# Altium PCB SOM Board with RK3399.PcbDoc (part 1 of 5) (continued)
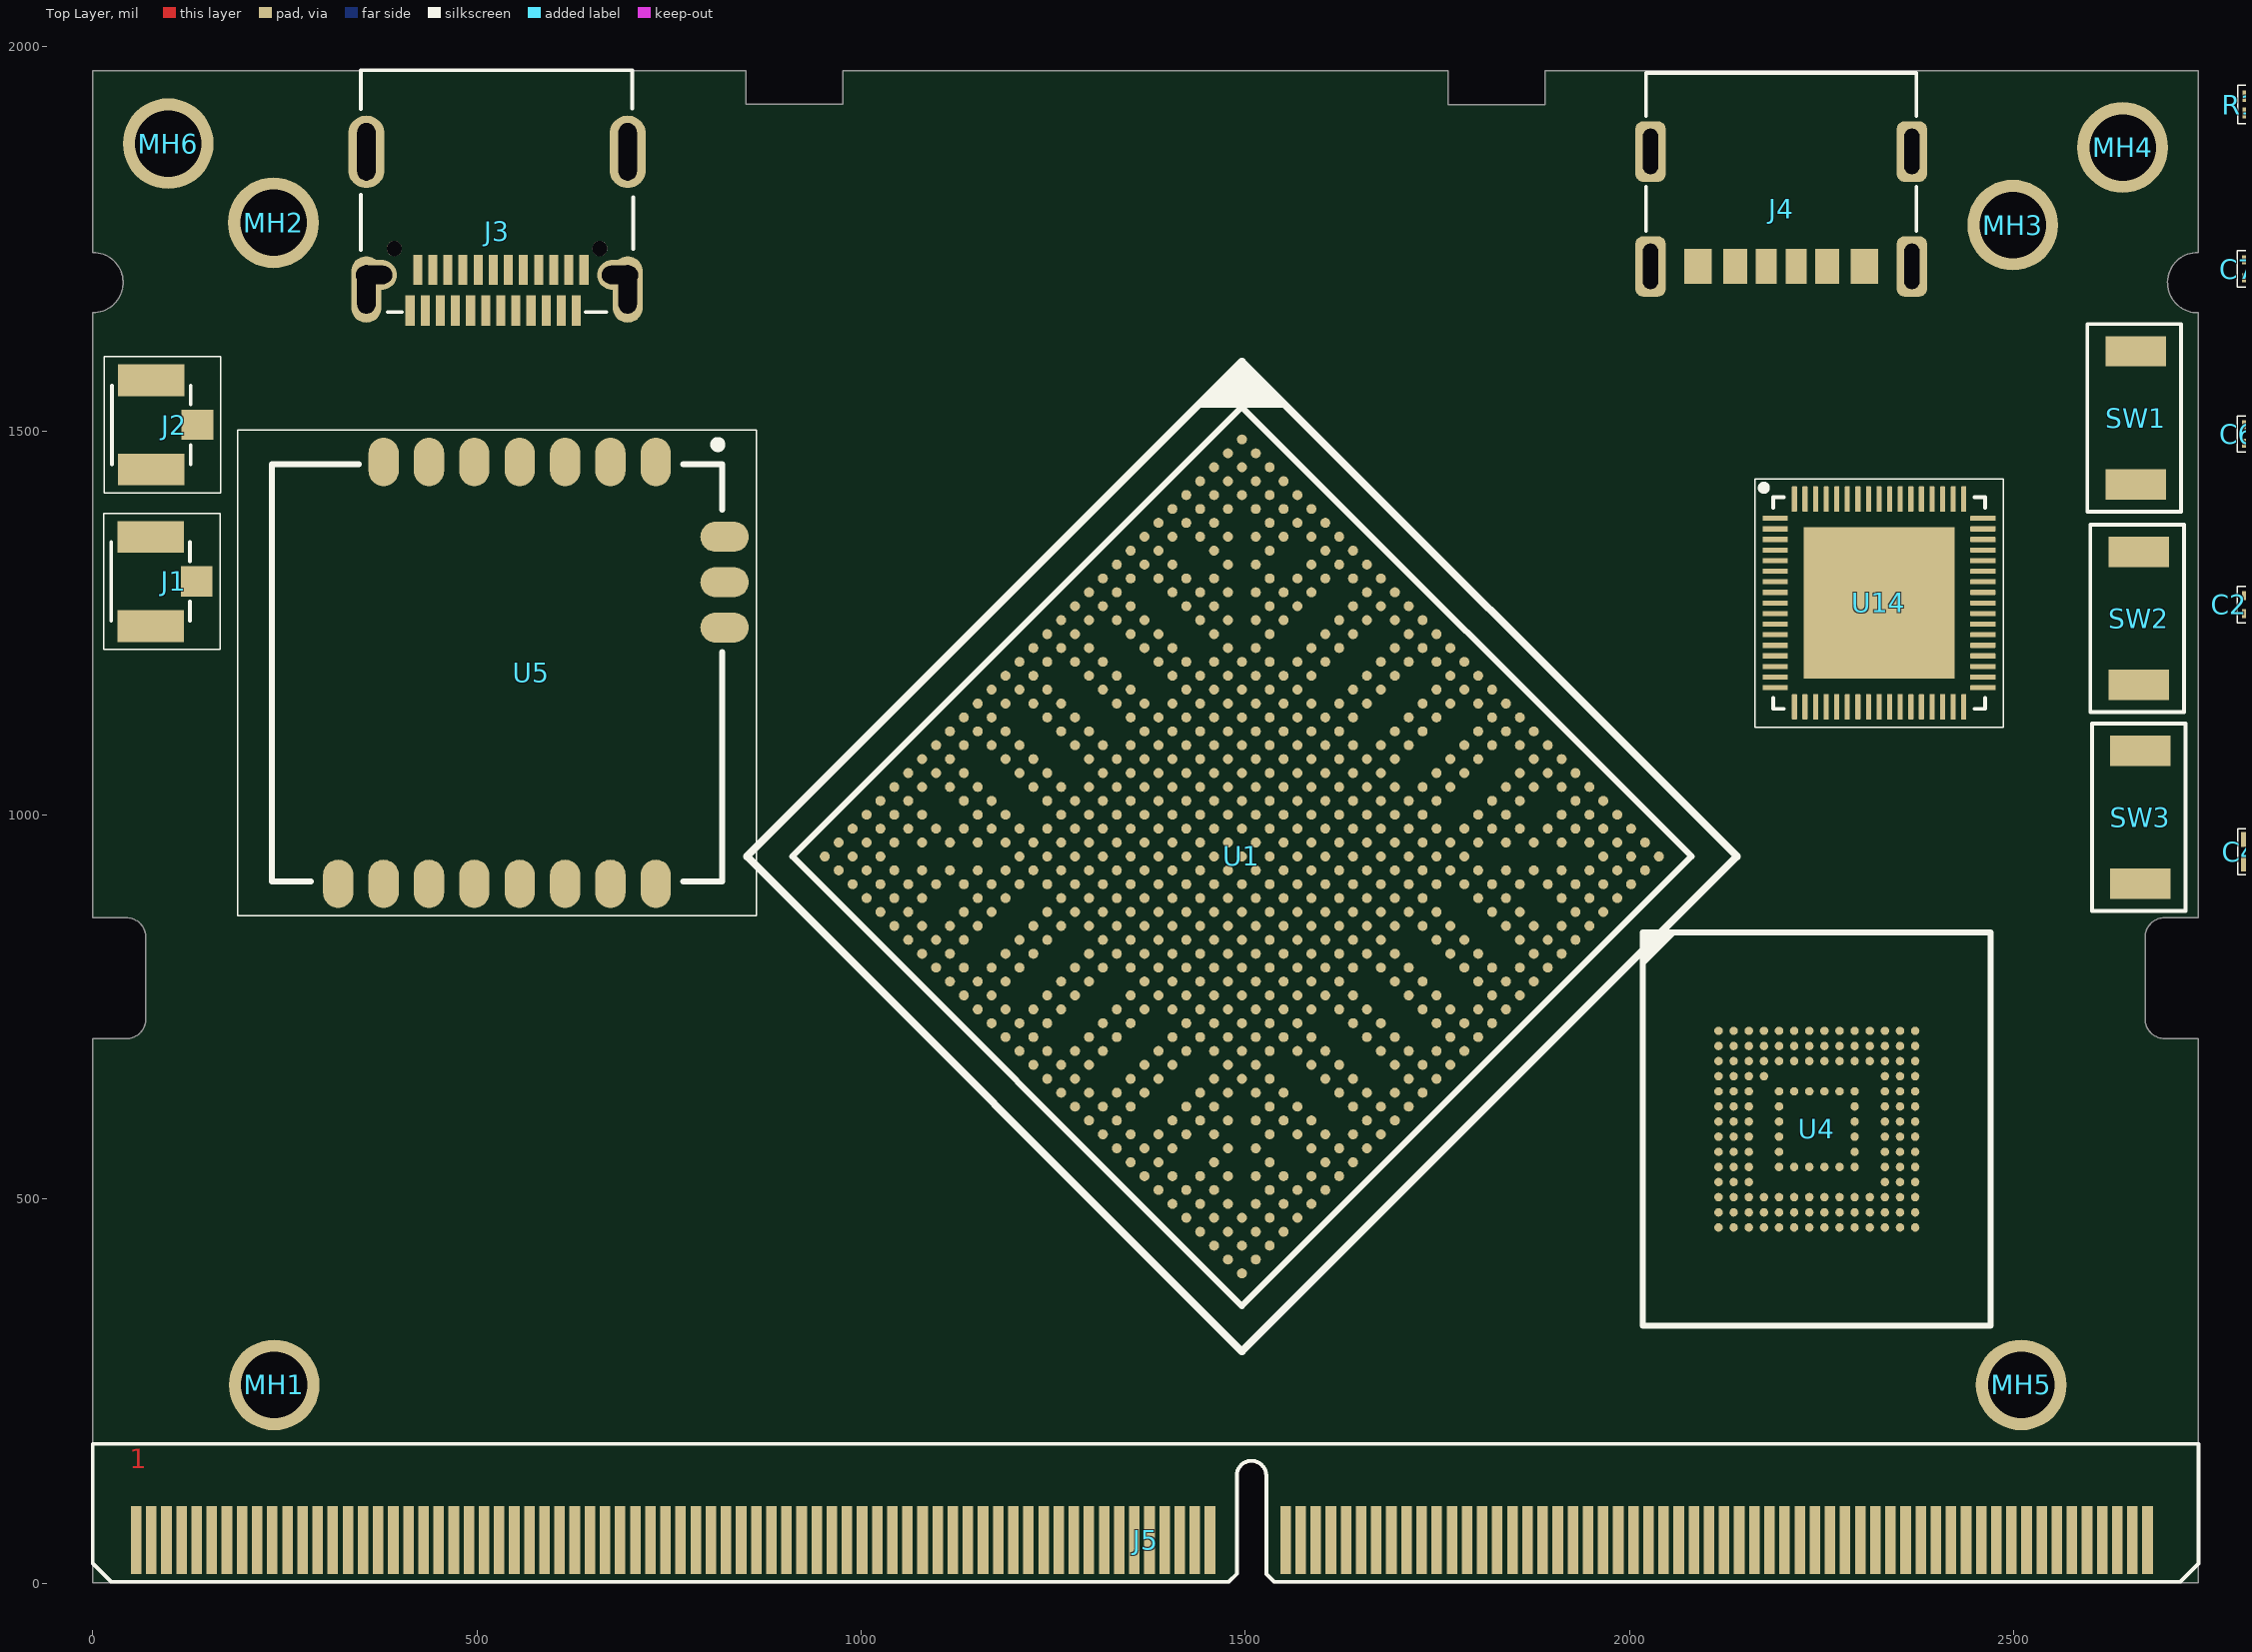
[diagram p0: Top Layer view]
## Components (designator, comment, footprint, x,y, rotation, side; value= is the part's Value field where it differs from the comment) (continued)
C203 "100nF" CAP_0201 3935,4144 r90 top
C204 "100nF" CAP_0201 4225,4144 r90 top
C205 "100nF" CAP_0201 4515,4144 r90 top
C206 "100nF" CAP_0201 4805,4144 r90 top
C207 "100nF" CAP_0201 5096,4144 r90 top
C208 "100nF" CAP_0201 4754,4824 r90 top
C209 "10uF" CAP_0603 3935,4802 r90 top
C210 "100nF" CAP_0201 4214,4824 r90 top
C211 "100nF" CAP_0201 4494,4824 r90 top
C212 "100nF" CAP_0201 3644,4824 r90 top
C213 "10uF" CAP_0603 2814,4802 r90 top
C214 "100nF" CAP_0201 3083,4824 r90 top
C215 "100nF" CAP_0201 3364,4824 r90 top
C216 "4.7uF" CAP_0402 9808,5656 r90 top
C217 "100nF" CAP_0402 8646,5656 r90 top
C218 "100nF" CAP_0402 7676,5656 r90 top
C219 "10uF" CAP-T_1206 7225,5576 r90 top
C220 "4.7uF" CAP_0402 6314,5656 r90 top
C221 "100nF" CAP_0402 6605,5656 r90 top
C222 "10nF" CAP_0402 6875,5656 r90 top
C223 "1uF" CAP_0402 4598,5656 r90 top
C224 "1uF" CAP_0402 4888,5656 r90 top
C225 "10uF" CAP-T_1206 4137,5576 r90 top
C226 "1nF" CAP_0402 2806,5656 r90 top
C227 "10nF" CAP_0402 3096,5656 r90 top
C228 "22uF" CAP_0603 13924,7859 r90 top
C229 "100nF" CAP_0402 14206,7875 r90 top
C230 "100nF" CAP_0402 14496,7875 r90 top
C231 "100nF" CAP_0402 12685,7875 r90 top
C232 "22uF" CAP_0603 12964,7859 r90 top
C233 "100nF" CAP_0402 13246,7875 r90 top
C234 "22uF" CAP_0603 11394,7859 r90 top
C235 "22uF" CAP_0603 11684,7859 r90 top
C236 "22uF" CAP_0603 11974,7859 r90 top
C237 "22uF" CAP_0603 10874,7859 r90 top
C238 "22uF" CAP_0603 9794,7859 r90 top
C239 "22uF" CAP_0603 10084,7859 r90 top
C240 "22uF" CAP_0603 10374,7859 r90 top
C241 "100nF" CAP_0402 9054,7875 r90 top
C242 "100nF" CAP_0402 8764,7875 r90 top
C243 "10uF" CAP_0402 7364,7875 r90 top
C244 "100nF" CAP_0402 7654,7875 r90 top
C245 "22uF" CAP_0603 6852,7859 r90 top
C246 "10uF" CAP_0402 6263,7875 r90 top
C247 "10uF" CAP_0402 6553,7875 r90 top
C248 "100nF" CAP_0402 4820,7875 r90 top
C249 "22nF" CAP_0402 3858,7875 r90 top
C250 "100nF" CAP_0201 6745,1274 r90 top
C251 "12pF" CAP_0201 5506,1274 r90 top
C252 "12pF" CAP_0201 5776,1274 r90 top
C253 "100nF" CAP_0201 4475,1274 r90 top
C254 "100nF" CAP_0201 4184,1274 r90 top
C255 "100nF" CAP_0201 3894,1274 r90 top
C256 "100nF" CAP_0201 3604,1274 r90 top
C257 "1uF" CAP_0201 2803,1274 r90 top
C258 "1uF" CAP_0201 3094,1274 r90 top
C259 "100nF" CAP_0402 18590,8361 r90 top
C260 "100nF" CAP_0402 18881,8361 r90 top
C261 "22uF" CAP_0603 19180,8345 r90 top
C262 "22uF" CAP_0603 19450,8345 r90 top
C263 "22uF" CAP_0603 18019,8345 r90 top
C264 "22uF" CAP_0603 18309,8345 r90 top
C265 "22uF" CAP_0603 17145,8345 r90 top
C266 "22uF" CAP_0603 16175,8345 r90 top
C267 "22uF" CAP_0603 16465,8345 r90 top
C268 "47pF" CAP_0402 15667,8361 r90 top
C269 "22uF" CAP_0603 15176,8345 r90 top
C270 "22uF" CAP_0603 14156,8345 r90 top
C271 "22uF" CAP_0603 14446,8345 r90 top
C272 "100nF" CAP_0402 13857,8361 r90 top
C273 "1uF" CAP_0402 11533,8361 r90 top
C274 "1uF" CAP_0402 11824,8361 r90 top
C275 "1uF" CAP_0402 12114,8361 r90 top
C276 "1uF" CAP_0402 12405,8361 r90 top
C277 "1uF" CAP_0402 12695,8361 r90 top
C278 "1uF" CAP_0402 12985,8361 r90 top
C279 "1uF" CAP_0402 13276,8361 r90 top
C280 "1uF" CAP_0402 13566,8361 r90 top
C281 "1uF" CAP_0402 11263,8361 r90 top
C282 "22pF" CAP_0402 10973,8361 r90 top
C283 "1uF" CAP_0402 7798,8361 r90 top
C284 "2.2uF" CAP_0402 8088,8361 r90 top
C285 "2.2uF" CAP_0402 8379,8361 r90 top
C286 "2.2uF" CAP_0402 8669,8361 r90 top
C287 "2.2uF" CAP_0402 8960,8361 r90 top
C288 "2.2uF" CAP_0402 9250,8361 r90 top
C289 "2.2uF" CAP_0402 9540,8361 r90 top
C290 "2.2uF" CAP_0402 9831,8361 r90 top
C291 "2.2uF" CAP_0402 10121,8361 r90 top
C292 "2.2uF" CAP_0402 10392,8361 r90 top
C293 "2.2uF" CAP_0402 10682,8361 r90 top
C294 "22pF" CAP_0402 7127,8361 r90 top
C295 "100nF" CAP_0402 5958,8361 r90 top
C296 "100nF" CAP_0402 5668,8361 r90 top
C297 "100nF" CAP_0402 4336,8361 r90 top
C298 "100nF" CAP_0402 4626,8361 r90 top
C299 "1uF" CAP_0402 4917,8361 r90 top
C300 "10uF" CAP_0402 3217,8361 r90 top
C301 "220pF" CAP_0402 7282,6238 r90 top
C302 "220pF" CAP_0402 7553,6238 r90 top
C303 "100nF" CAP_0603 7852,6222 r90 top
C304 "100nF" CAP_0402 6992,6238 r90 top
C305 "100nF" CAP_0402 6702,6238 r90 top
C306 "100nF" CAP_0402 5509,6238 r90 top
C307 "100nF" CAP_0402 5219,6238 r90 top
C308 "100nF" CAP_0402 4929,6238 r90 top
C309 "1uF" CAP_0402 4097,6238 r90 top
C310 "1uF" CAP_0402 4388,6238 r90 top
C311 "1uF" CAP_0402 4668,6238 r90 top
C312 "100nF" CAP_0402 3817,6238 r90 top
C313 "10uF" CAP_0402 3317,6238 r90 top
C314 "10uF" CAP_0402 3036,6238 r90 top
C315 "22uF" CAP_0603 13777,7587 r90 top
C316 "22uF" CAP_0603 14057,7587 r90 top
C317 "100nF" CAP_0402 14328,7603 r90 top
C318 "220nF" CAP_0402 12797,7603 r90 top
C319 "100nF" CAP_0402 9835,7603 r90 top
C320 "10uF" CAP_0402 10115,7603 r90 top
C321 "10uF" CAP_0402 10406,7603 r90 top
C322 "22uF" CAP_0603 10685,7587 r90 top
C323 "22uF" CAP_0603 10975,7587 r90 top
C324 "100nF" CAP_0402 11256,7603 r90 top
C325 "4.7uF" CAP_0402 9545,7603 r90 top
C326 "1uF" CAP_0402 8433,7603 r90 top
C327 "1uF" CAP_0402 7061,7603 r90 top
C328 "100nF" CAP_0402 7352,7603 r90 top
C329 "100nF" CAP_0402 7642,7603 r90 top
C330 "1uF" CAP_0402 6771,7603 r90 top
C331 "10uF" CAP_0402 3667,7603 r90 top
C332 "100nF" CAP_0402 3937,7603 r90 top
C333 "10uF" CAP_0402 3086,7603 r90 top
C334 "10uF" CAP_0402 3376,7603 r90 top
C335 "1uF" CAP_0201 13992,6734 r90 top
C336 "1uF" CAP_0201 14283,6734 r90 top
C337 "100nF" CAP_0201 14573,6734 r90 top
C338 "1uF" CAP_0201 12561,6734 r90 top
C339 "100nF" CAP_0201 12852,6734 r90 top
C340 "100nF" CAP_0201 13142,6734 r90 top
C341 "100nF" CAP_0201 13432,6734 r90 top
C342 "100nF" CAP_0201 13702,6734 r90 top
C343 "100nF" CAP_0201 10520,6734 r90 top
C344 "100nF" CAP_0201 10810,6734 r90 top
C345 "4.7nF" CAP_0201 9689,6734 r90 top
C346 "4.7uF" CAP_0201 8238,6734 r90 top
C347 "100nF" CAP_0201 8529,6734 r90 top
C348 "100nF" CAP_0201 8819,6734 r90 top
C349 "100nF" CAP_0201 9109,6734 r90 top
C350 "1uF" CAP_0603 9410,6712 r90 top
C351 "10uF" CAP_0402 6929,6728 r90 top
C352 "100nF" CAP_0201 7197,6734 r90 top
C353 "12pF" CAP_0201 2803,6734 r90 top
C354 "12pF" CAP_0201 3094,6734 r90 top
D1 "BZT52C3V3T-7" DIO_SOD523 5366,1708 r0 top
D2 "BZT52C3V3T-7" DIO_SOD523 6404,1923 r0 top
D3 "BZT52C3V3T-7" DIO_SOD523 5796,1923 r0 top
D4 "BAT54CWT1G" DIO_SOT-323-3 16797,8329 r0 top
D5 "1N4148WT" DIO_SOD523 6305,8364 r0 top
D6 "AVRL101A1R1NTB" DIO_0402_SMD 3974,8371 r0 top
D7 "BZT52C3V3T-7" DIO_SOD523 8726,6241 r0 top
DS1 "RED LED" LED_0805 3749,7073 r90 top
FB1 "BLM15PD121SN1D" RES_0402 3476,1490 r90 top
FB2 "BLM15PD121SN1D" RES_0402 8863,2566 r90 top
FB3 "BLM15PD121SN1D" RES_0402 8632,2566 r90 top
FB4 "BLM15PD121SN1D" RES_0402 8402,2566 r90 top
FB5 "BLM15PD121SN1D" RES_0402 8171,2566 r90 top
FB6 "BLM15PD121SN1D" RES_0402 5308,3352 r90 top
FB7 "BLM15PD121SN1D" RES_0402 5388,4138 r90 top
FB8 "BLM15PD121SN1D" RES_0402 5278,1268 r90 top
FB9 "BLM15PD121SN1D" RES_0402 5047,1268 r90 top
FB10 "BLM15PD121SN1D" RES_0402 4767,1268 r90 top
FD1 "Fiducial" FIDUCIAL_78.7MIL 4572,7555 r0 top
FD2 "Fiducial" FIDUCIAL_78.7MIL 4782,7555 r0 top
FD3 "Fiducial" FIDUCIAL_78.7MIL 5013,7555 r0 top
FD4 "Fiducial" FIDUCIAL_78.7MIL 5243,7555 r0 top
FD5 "Fiducial" FIDUCIAL_78.7MIL 5473,7555 r0 top
FD6 "Fiducial" FIDUCIAL_78.7MIL 5703,7555 r0 top
FD7 "Fiducial" FIDUCIAL_78.7MIL 5934,7555 r0 top
FD8 "Fiducial" FIDUCIAL_78.7MIL 6164,7555 r0 top
J1 "ECT818000071" CON3_UFL_116_SMD_ST 105,1304 r90 top
J2 "ECT818000071" CON3_UFL_116_SMD_ST 106,1508 r90 top
J3 "U262-241N-4BV64" CON24_19.64_U262-241N-4BV64_TH_RA 526,1760 r180 top
J4 "UJC-HP-3-SMT-TR" CON6_48.4_UJC-HP-3-SMT-TR 2205,1789 r180 top
J5 "DIMM 260" DIMM260_DDR4 1370.34,56 r0 top locked
L1 "DFE252010P-R47M=P2" IND_1008 13771,7850 r0 top
L2 "DFE252010P-R47M=P2" IND_1008 12541,7850 r0 top
L3 "DFE252010P-1R0M=P2" IND_1008 8619,7850 r0 top
L4 "CB2012T1R0M" IND_0805 8220,7864 r0 top
L5 "DFE252010P-1R0M=P2" IND_1008 17491,8336 r0 top
L6 "DFE252010P-1R0M=P2" IND_1008 16992,8336 r0 top
L7 "DFE252010P-1R0M=P2" IND_1008 16022,8336 r0 top
L8 "DFE252010P-1R0M=P2" IND_1008 15522,8336 r0 top
L9 "WPN4020H1R5MT" IND_1616 12156,7548 r0 top
L10 "DFE252010P-1R0M=P2" IND_1008 6615,7578 r0 top
L11 "WPN201610H4R7MT" IND_62.9_110X86.6_SMD 7531,6714 r0 top
MH1 "Mounting Hole" SOM_MOUNTING 236,258 r0 top
MH2 "Mounting Hole" SOM_MOUNTING 235,1771 r0 top
MH3 "Mounting Hole" SOM_MOUNTING 2499,1768 r0 top
MH4 "Mounting Hole" SOM_MOUNTING 2642,1869 r0 top
MH5 "Mounting Hole" SOM_MOUNTING 2510,258 r0 top
MH6 "Mounting Hole" SOM_MOUNTING 98,1874 r0 top
Q1 "BSS84W-7-F" SOT-323-3 3728,7843 r0 top
Q2 "MMBT3904WT1G" SOT-323-3 3087,7843 r0 top
Q3 "WNM2016-3/TR" "SOT 23-3" 3566,8327 r0 top
Q4 "WNM2021-3/TR" SOT-323-3 2856,8329 r0 top
Q5 "SI7615CDN-T1-GE3" PowerPAK_1212-8_SMD 12628,7558 r0 top
Q6 "WNM2021-3/TR" SOT-323-3 3086,7106 r0 top
R1 "22R" RES_0201 5360,1506 r0 top
R2 "33R" RES_0201 5190,1506 r0 top
R3 "10K" RES_0201 4559,1506 r0 top
R4 "100R" RES_0201 3928,1506 r0 top
R5 "10K" RES_0201 4940,1721 r0 top
R6 "1.62K" RES_0201 4769,1721 r0 top
R7 "6.04K" RES_0201 4599,1721 r0 top
R8 "4.02K" RES_0201 3047,1721 r0 top
R9 "1K" RES_0201 6766,1936 r0 top
R10 "133R" RES_0201 6534,1925 r90 top
R11 "1K" RES_0201 6147,1925 r90 top
R12 "133R" RES_0201 5927,1925 r90 top
R13 "499R" RES_0201 5519,1925 r90 top
R14 "499R" RES_0201 5299,1925 r90 top
R15 "499R" RES_0201 3026,1925 r90 top
R16 "499R" RES_0201 2806,1925 r90 top
R17 "2.2K" RES_0201 4598,2137 r90 top
R18 "2.2K" RES_0201 4819,2137 r90 top
R19 "2.2K" RES_0201 4148,2137 r90 top
R20 "2.2K" RES_0201 4368,2137 r90 top
R21 "4.02K" RES_0201 3937,2137 r90 top
R22 "4.02K" RES_0201 3016,2137 r90 top
R23 "22R" RES_0201 8315,2349 r90 top
R24 "22R" RES_0201 8084,2349 r90 top
R25 "22R" RES_0201 7854,2349 r90 top
R26 "22R" RES_0201 7623,2349 r90 top
R27 "22R" RES_0201 7393,2349 r90 top
R28 "22R" RES_0201 7162,2349 r90 top
R29 "22R" RES_0201 6932,2349 r90 top
R30 "2.2K" RES_0201 6031,2349 r90 top
R31 "2.2K" RES_0201 6261,2349 r90 top
R32 "2.2K" RES_0201 5800,2349 r90 top
R33 "2.2K" RES_0201 5570,2349 r90 top
R34 "1K" RES_0201 4418,2349 r90 top
R35 "1K" RES_0201 4649,2349 r90 top
R36 "2.2K" RES_0201 3957,2349 r90 top
R37 "2.2K" RES_0201 4188,2349 r90 top
R38 "1K" RES_0201 3496,2349 r90 top
R39 "1K" RES_0201 3727,2349 r90 top
R40 "240R" RES_0201 7941,2571 r90 top
R41 "240R" RES_0201 7731,2571 r90 top
R42 "10K" RES_0201 16220,3357 r90 top
R43 "10K" RES_0201 15989,3357 r90 top
R44 "240R" RES_0201 15759,3357 r90 top
R45 "240R" RES_0201 15528,3357 r90 top
R46 "10K" RES_0201 16340,4143 r90 top
R47 "10K" RES_0201 16109,4143 r90 top
R48 "240R" RES_0201 15879,4143 r90 top
R49 "240R" RES_0201 15648,4143 r90 top
R50 "10K" RES_0201 5047,4823 r90 top
R51 "10K" RES_0402 10089,5656 r90 top
R52 "1K" RES_0402 8186,5656 r90 top
R53 "10K" RES_0402 7446,5656 r90 top
R54 "47K" RES_0402 6084,5656 r90 top
R55 "1K" RES_0402 5661,5656 r90 top
R56 "40.2K" RES_0805 4428,5646 r0 top
R57 "120K" RES_0402 3847,5656 r90 top
R58 "10K" RES_0402 3617,5656 r90 top
R59 "1K" RES_0402 3386,5656 r90 top
R60 "10K" RES_0402 11155,7875 r90 top
R61 "100R" RES_0402 10655,7875 r90 top
R62 "10K" RES_0402 9555,7875 r90 top
R63 "100R" RES_0402 9324,7875 r90 top
R64 "100K" RES_0402 7133,7875 r90 top
R65 "100K" RES_0402 6032,7875 r90 top
R66 "200K" RES_0402 5571,7875 r90 top
R67 "10K" RES_0402 5802,7875 r90 top
R68 "39K" RES_0402 5111,7875 r90 top
R69 "118K" RES_0402 5341,7875 r90 top
R70 "5.6K" RES_0402 4379,7875 r90 top
R71 "12K" RES_0402 4610,7875 r90 top
R72 "200K" RES_0402 4149,7875 r90 top
R73 "100K" RES_0402 3447,7875 r90 top
R74 "10K" RES_0402 3217,7875 r90 top
R75 "47K" RES_0402 2806,7875 r90 top
R76 "33R" RES_0201 7038,1273 r90 top
R77 "1M" RES_0201 6517,1273 r90 top
R78 "1K" RES_0201 6069,1273 r90 top
R79 "51K" RES_0402 14937,8361 r90 top
R80 "200K" RES_0402 14707,8361 r90 top
R81 "0R" RES_0402 7588,8361 r90 top
R82 "10K" RES_0402 6897,8361 r90 top
R83 "10K" RES_0402 6666,8361 r90 top
R84 "10K" RES_0402 6436,8361 r90 top
R85 "100R" RES_0402 5437,8361 r90 top
R86 "100R" RES_0402 5207,8361 r90 top
R87 "300K" RES_0402 4105,8361 r90 top
R88 "300K" RES_0402 3705,8361 r90 top
R89 "100K" RES_0402 2986,8361 r90 top
R90 "1K" RES_0402 8856,6238 r90 top
R91 "100K" RES_0402 6261,6238 r90 top
R92 "2M" RES_0402 6471,6238 r90 top
R93 "2M" RES_0402 6030,6238 r90 top
R94 "100K" RES_0402 5800,6238 r90 top
R95 "3.4K" RES_0402 2806,6238 r90 top
R96 "5.6K" RES_0402 13308,7603 r90 top
R97 "5.6K" RES_0402 13538,7603 r90 top
R98 "3.3R" RES_0402 13077,7603 r90 top
R99 "100K" RES_0402 11827,7603 r90 top
R100 "100K" RES_0402 11546,7603 r90 top
R101 "10K" RES_0402 9284,7603 r90 top
R102 "200K" RES_0402 9004,7603 r90 top
R103 "10K" RES_0402 8723,7603 r90 top
R104 "100K" RES_0402 8152,7603 r90 top
R105 "30K" RES_0402 4228,7603 r90 top
R106 "6.8K" RES_0402 2806,7603 r90 top
R107 "4.7K" RES_0402 3937,7138 r90 top
R108 "1K" RES_0402 3216,7138 r90 top
R109 "10K" RES_0402 2806,11268 r90 top
R110 "0R" RES_0201 15136,6733 r90 top
R111 "0R" RES_0201 15406,6733 r90 top
R112 "0R" RES_0201 14865,6733 r90 top
R113 "0R" RES_0201 12293,6733 r90 top
R114 "4.7K" RES_0201 11482,6733 r90 top
R115 "4.7K" RES_0201 11752,6733 r90 top
R116 "4.7K" RES_0201 12023,6733 r90 top
R117 "33R" RES_0201 10252,6733 r90 top
R118 "2.49K" RES_0201 9982,6733 r90 top
R119 "33R" RES_0201 7970,6733 r90 top
R120 "33R" RES_0201 7690,6733 r90 top
R121 "4.7K" RES_0201 6669,6733 r90 top
R122 "4.7K" RES_0201 6388,6733 r90 top
R123 "4.7K" RES_0201 6108,6733 r90 top
R124 "4.7K" RES_0201 5827,6733 r90 top
R125 "4.7K" RES_0201 5267,6733 r90 top
R126 "4.7K" RES_0201 5547,6733 r90 top
R127 "4.7K" RES_0201 4706,6733 r90 top
R128 "4.7K" RES_0201 4986,6733 r90 top
R129 "4.7K" RES_0201 4425,6733 r90 top
R130 "4.7K" RES_0201 4145,6733 r90 top
R131 "4.7K" RES_0201 3884,6733 r90 top
R132 "1.1K" RES_0201 3386,6733 r90 top
SW1 "4982" SW_177_39.3X77.7_SMD 2659,1517 r90 top
SW2 "4982" SW_177_39.3X77.7_SMD 2663,1256 r90 top
SW3 "4982" SW_177_39.3X77.7_SMD 2665,997 r90 top
U1 "RK3399" FBGA828_23_826X826 1495.57,946.05 r315 top locked
U2 "RS512M32LZ4D2ANP-75BT" FBGA200_SMD 1095.24,1596.39 r180 bottom
U3 "RS512M32LZ4D2ANP-75BT" FBGA200_SMD 1789.76,1582.39 r180 bottom
U4 "KLMAG2WEMB-B031" BGA153C50P14X14_1150X1300X70 2244,591 r0 top
U5 "WF60" MOD_WF60 526,1185 r270 top
U6 "TXB0108NMER" NFBGA_31.4_125.9X102.36 8990,5626 r0 top
U7 "RT9193-18GU5" SC70-5 5948,5625 r0 top
U8 "LD39050PUR" DFN-6_37.4_165_33X15_SMD 5271,5625 r0 top
U9 "SYR838PKC" CSP20_15.7_100x84_SMD 13588,7853 r0 top
U10 "SYR838PKC" CSP20_15.7_100x84_SMD 12308,7853 r0 top
U11 "RT8010GQW" WDFN-6_26_133X100_SMD 8422,7854 r0 top
U12 "RT8010GQW" WDFN-6_26_133X100_SMD 8012,7854 r0 top
U13 "RT9193-18GU5" SC70-5 3443,1237 r0 top
U14 "RK808-D" QFN68_13.7_220.4X220.4_SMD 2325,1276 r0 top
U15 "FUSB302MPX" MLP-14_98.4X98.4_SMD 9164,6193 r0 top
U16 "SY6280AAC" SOT23-5 3651,6182 r0 top
U17 "NB680GD-Z" QFN-12_19_118X118_SMD 12402,7550 r0 top
U18 "RT9193-33PU5" SC70-5 7989,7572 r0 top
U19 "MP2143DJ-LF-Z" SOT23-8 6411,7566 r0 top
U20 "RTL8211E-VB-CG" QFN48_19.6_324X324_SMD 2227,499 r180 bottom
Y1 "ECS-327MVATX-3-CN-TR" XTAL_57_35X31_SMD 5469,5583 r0 top
Y2 "24Mhz" XTAL_ABM8AIG-24.000MHZ-12-2Z-T3 6368,1229 r0 top
Y3 "ECS-.327-6-34RR-TR" XTAL_ECS-.327-6-34RR-TR 7443,8298 r90 top
Y4 "24Mhz" XTAL_ABM8AIG-24.000MHZ-12-2Z-T3 3736,6689 r0 top

## Footprints (in the part's own frame and the unit in brackets; to place one, negate y for a bottom-side part, rotate by r counter-clockwise, add the part's x,y. Pads: shape width x height; smd on the part's side, far side on the other; paste and mask are expansions set on the pad)
BGA153C50P14X14_1150X1300X70 [mm] "BGA, 153-Leads, Body 11.50x13.00mmx0.70mm, Pitch 0.50mm"
  round 0.28 smd: A1(-3.25,3.25) A2(-2.75,3.25) A3(-2.25,3.25) A4(-1.75,3.25) A5(-1.25,3.25) A6(-0.75,3.25) A7(-0.25,3.25) A8(0.25,3.25) A9(0.75,3.25) A10(1.25,3.25) A11(1.75,3.25) A12(2.25,3.25) A13(2.75,3.25) A14(3.25,3.25) B1(-3.25,2.75) B2(-2.75,2.75) B3(-2.25,2.75) B4(-1.75,2.75) B5(-1.25,2.75) B6(-0.75,2.75) B7(-0.25,2.75) B8(0.25,2.75) B9(0.75,2.75) B10(1.25,2.75) B11(1.75,2.75) B12(2.25,2.75) B13(2.75,2.75) B14(3.25,2.75) C1(-3.25,2.25) C2(-2.75,2.25) C3(-2.25,2.25) C4(-1.75,2.25) C5(-1.25,2.25) C6(-0.75,2.25) C7(-0.25,2.25) C8(0.25,2.25) C9(0.75,2.25) C10(1.25,2.25) C11(1.75,2.25) C12(2.25,2.25) C13(2.75,2.25) C14(3.25,2.25) D1(-3.25,1.75) D2(-2.75,1.75) D3(-2.25,1.75) D4(-1.75,1.75) D12(2.25,1.75) D13(2.75,1.75) D14(3.25,1.75) E1(-3.25,1.25) E2(-2.75,1.25) E3(-2.25,1.25) E5(-1.25,1.25) E6(-0.75,1.25) E7(-0.25,1.25) E8(0.25,1.25) E9(0.75,1.25) E10(1.25,1.25) E12(2.25,1.25) E13(2.75,1.25) E14(3.25,1.25) F1(-3.25,0.75) F2(-2.75,0.75) F3(-2.25,0.75) F5(-1.25,0.75) F10(1.25,0.75) F12(2.25,0.75) F13(2.75,0.75) F14(3.25,0.75) G1(-3.25,0.25) G2(-2.75,0.25) G3(-2.25,0.25) G5(-1.25,0.25) G10(1.25,0.25) G12(2.25,0.25) G13(2.75,0.25) G14(3.25,0.25) H1(-3.25,-0.25) H2(-2.75,-0.25) H3(-2.25,-0.25) H5(-1.25,-0.25) H10(1.25,-0.25) H12(2.25,-0.25) H13(2.75,-0.25) H14(3.25,-0.25) J1(-3.25,-0.75) J2(-2.75,-0.75) J3(-2.25,-0.75) J5(-1.25,-0.75) J10(1.25,-0.75) J12(2.25,-0.75) J13(2.75,-0.75) J14(3.25,-0.75) K1(-3.25,-1.25) K2(-2.75,-1.25) K3(-2.25,-1.25) K5(-1.25,-1.25) K6(-0.75,-1.25) K7(-0.25,-1.25) K8(0.25,-1.25) K9(0.75,-1.25) K10(1.25,-1.25) K12(2.25,-1.25) K13(2.75,-1.25) K14(3.25,-1.25) L1(-3.25,-1.75) L2(-2.75,-1.75) L3(-2.25,-1.75) L12(2.25,-1.75) L13(2.75,-1.75) L14(3.25,-1.75) M1(-3.25,-2.25) M2(-2.75,-2.25) M3(-2.25,-2.25) M4(-1.75,-2.25) M5(-1.25,-2.25) M6(-0.75,-2.25) M7(-0.25,-2.25) M8(0.25,-2.25) M9(0.75,-2.25) M10(1.25,-2.25) M11(1.75,-2.25) M12(2.25,-2.25) M13(2.75,-2.25) M14(3.25,-2.25) N1(-3.25,-2.75) N2(-2.75,-2.75) N3(-2.25,-2.75) N4(-1.75,-2.75) N5(-1.25,-2.75) N6(-0.75,-2.75) N7(-0.25,-2.75) N8(0.25,-2.75) N9(0.75,-2.75) N10(1.25,-2.75) N11(1.75,-2.75) N12(2.25,-2.75) N13(2.75,-2.75) N14(3.25,-2.75) P1(-3.25,-3.25) P2(-2.75,-3.25) P3(-2.25,-3.25) P4(-1.75,-3.25) P5(-1.25,-3.25) P6(-0.75,-3.25) P7(-0.25,-3.25) P8(0.25,-3.25) P9(0.75,-3.25) P10(1.25,-3.25) P11(1.75,-3.25) P12(2.25,-3.25) P13(2.75,-3.25) P14(3.25,-3.25)
  silkscreen extent -5.75,-6.5 5.75,6.5, body extent -5.75,-6.5 5.75,6.5, height 0.7
CAP-T_1206 [mil] "Tantalum Capacitor"
  rect 60x60 smd: 1(-67.49,-0.2) 2(67.51,-0.2)
  silkscreen extent -107,-40 108,40, body extent -63,-31 63,32, height 39
CAP_0201 [mm]
  rect 0.3x0.3 smd: 1(-0.3,0) 2(0.3,0)
  silkscreen extent -0.6,-0.3 0.6,0.3, body extent -0.44,-0.15 0.44,0.15, height 0.31
CAP_0402 [mm] "Capacitor"
  rect 0.5x0.5 smd mask+0.051: 1(-0.406,0) 2(0.406,0)
  silkscreen extent -0.76,-0.36 0.76,0.36, body extent -0.53,-0.28 0.52,0.27, height 0.55
CAP_0603 [mm] "Capacitor"
  rect 0.6x0.9 smd mask+0.051: 1(-0.711,0) 2(0.711,0)
  silkscreen extent -1.14,-0.56 1.14,0.56, body extent -0.87,-0.48 0.87,0.47, height 0.87
CON3_UFL_116_SMD_ST [mm] "UFL Connector"
  rect 1.05x2.2 smd: 1(-1.475,0.763) 3(1.475,0.763)
  rect 1x1.05 smd: 2(0,-0.763)
  silkscreen extent -2.25,-1.54 2.25,2.31, body extent -1.5,-0.79 1.5,2.31, height 1.25
CON6_48.4_UJC-HP-3-SMT-TR [mm] "Type-C Connector"
  rect 0.7x1.15 smd: A5(-0.312,1.9) B5(0.688,1.9)
  rect 0.8x1.15 smd: A9(1.707,1.9) B9(-1.332,1.9)
  rect 0.9x1.15 smd: A12(2.937,1.9) B12(-2.562,1.9)
  rrect50% 1x2 hole 1.5 slot 0.5 at 0 deg unplated: E1(-4.132,1.9) E2(4.508,1.9) E3(4.508,-1.9) E4(-4.132,-1.9)
  silkscreen extent -4.28,-4.5 4.66,0.73, body extent -4.27,-4.5 4.67,2.3, height 3.42
CON24_19.64_U262-241N-4BV64_TH_RA [mm] "Type C Connector"
  rect 0.3x1 smd mask+0.076: A1(-2.625,2.625) A2(-2.125,2.625) A3(-1.625,2.625) A4(-1.125,2.625) A5(-0.625,2.625) A6(-0.125,2.625) A7(0.375,2.625) A8(0.875,2.625) A9(1.375,2.625) A10(1.875,2.625) A11(2.375,2.625) A12(2.875,2.625) B1(2.625,1.275) B2(2.125,1.275) B3(1.625,1.275) B4(1.125,1.275) B5(0.625,1.275) B6(0.125,1.275) B7(-0.375,1.275) B8(-0.875,1.275) B9(-1.375,1.275) B10(-1.875,1.275) B11(-2.375,1.275) B12(-2.875,1.275)
  oval 1x2.199 hole 0.6 slot 1.6 at 90 deg: S1(-4.32,1.925) S2(4.32,1.925)
  oval 1.499x1 hole 0.6 slot 1.2 at 0 deg: S1(-4.064,1.445) S2(4.064,1.445)
  oval 1.2x2.4 hole 0.6 slot 1.9 at 90 deg: S3(-4.32,-2.625) S4(4.32,-2.625)
  round 0.5 hole 0.5 unplated: ""(-3.4,0.575) ""(3.4,0.575)
  silkscreen extent -4.5,-5.33 4.5,2.67, body extent -6.06,-7.1 6.29,3.6, height 3.35
CSP20_15.7_100x84_SMD [mm] "CSP Package"
  round 0.25 smd mask+0.076: A1(-0.6,0.8) A2(-0.2,0.8) A3(0.2,0.8) A4(0.6,0.8) B1(-0.6,0.4) B2(-0.2,0.4) B3(0.2,0.4) B4(0.6,0.4) C1(-0.6,0) C2(-0.2,0) C3(0.2,0) C4(0.6,0) D1(-0.6,-0.4) D2(-0.2,-0.4) D3(0.2,-0.4) D4(0.6,-0.4) E1(-0.6,-0.8) E2(-0.2,-0.8) E3(0.2,-0.8) E4(0.6,-0.8)
  silkscreen extent -1.6,-1.3 1.1,1.3, body extent -1.12,-1.32 1.12,1.32, height 0.56
DFN-6_37.4_165_33X15_SMD [mm] "DFN Package"
  rect 0.84x0.4 smd mask+0.076: 1(-1.435,0.95) 2(-1.435,0) 3(-1.435,-0.95) 4(1.435,-0.95) 5(1.435,0) 6(1.435,0.95)
  rect 1.2x2.365 smd mask+0.076: 7(0,0)
  silkscreen extent -2.62,-1.5 2.08,1.5, body extent -1.5,-1.5 1.5,1.5, height 0.85
DIMM260_DDR4 [mm] "Dimm Module"
  rect 0.35x2.25 smd paste-0.75 mask+0.076: 1(-33.375,0) 3(-32.875,0) 5(-32.375,0) 7(-31.875,0) 9(-31.375,0) 11(-30.875,0) 13(-30.375,0) 15(-29.875,0) 17(-29.375,0) 19(-28.875,0) 21(-28.375,0) 23(-27.875,0) 25(-27.375,0) 27(-26.875,0) 29(-26.375,0) 31(-25.875,0) 33(-25.375,0) 35(-24.875,0) 37(-24.375,0) 39(-23.875,0) 41(-23.375,0) 43(-22.875,0) 45(-22.375,0) 47(-21.875,0) 49(-21.375,0) 51(-20.875,0) 53(-20.375,0) 55(-19.875,0) 57(-19.375,0) 59(-18.875,0) 61(-18.375,0) 63(-17.875,0) 65(-17.375,0) 67(-16.875,0) 69(-16.375,0) 71(-15.875,0) 73(-15.375,0) 75(-14.875,0) 77(-14.375,0) 79(-13.875,0) 81(-13.375,0) 83(-12.875,0) 85(-12.375,0) 87(-11.875,0) 89(-11.375,0) 91(-10.875,0) 93(-10.375,0) 95(-9.875,0) 97(-9.375,0) 99(-8.875,0) 101(-8.375,0) 103(-7.875,0) 105(-7.375,0) 107(-6.875,0) 109(-6.375,0) 111(-5.875,0) 113(-5.375,0) 115(-4.875,0) 117(-4.375,0) 119(-3.875,0) 121(-3.375,0) 123(-2.875,0) 125(-2.375,0) 127(-1.875,0) 129(-1.375,0) 131(-0.875,0) 133(-0.375,0) 135(0.125,0) 137(0.625,0) 139(1.125,0) 141(1.625,0) 143(2.125,0) 145(4.625,0) 147(5.125,0) 149(5.625,0) 151(6.125,0) 153(6.625,0) 155(7.125,0) 157(7.625,0) 159(8.125,0) 161(8.625,0) 163(9.125,0) 165(9.625,0) 167(10.125,0) 169(10.625,0) 171(11.125,0) 173(11.625,0) 175(12.125,0) 177(12.625,0) 179(13.125,0) 181(13.625,0) 183(14.125,0) 185(14.625,0) 187(15.125,0) 189(15.625,0) 191(16.125,0) 193(16.625,0) 195(17.125,0) 197(17.625,0) 199(18.125,0) 201(18.625,0) 203(19.125,0) 205(19.625,0) 207(20.125,0) 209(20.625,0) 211(21.125,0) 213(21.625,0) 215(22.125,0) 217(22.625,0) 219(23.125,0) 221(23.625,0) 223(24.125,0) 225(24.625,0) 227(25.125,0) 229(25.625,0) 231(26.125,0) 233(26.625,0) 235(27.125,0) 237(27.625,0) 239(28.125,0) 241(28.625,0) 243(29.125,0) 245(29.625,0) 247(30.125,0) 249(30.625,0) 251(31.125,0) 253(31.625,0) 255(32.125,0) 257(32.625,0) 259(33.125,0)
  rect 0.35x2.25 smd far side paste-0.75 mask+0.3: 2(-33.125,0) 4(-32.625,0) 6(-32.125,0) 8(-31.625,0) 10(-31.125,0) 12(-30.625,0) 14(-30.125,0) 16(-29.625,0) 18(-29.125,0) 20(-28.625,0) 22(-28.125,0) 24(-27.625,0) 26(-27.125,0) 28(-26.625,0) 30(-26.125,0) 32(-25.625,0) 34(-25.125,0) 36(-24.625,0) 38(-24.125,0) 40(-23.625,0) 42(-23.125,0) 44(-22.625,0) 46(-22.125,0) 48(-21.625,0) 50(-21.125,0) 52(-20.625,0) 54(-20.125,0) 56(-19.625,0) 58(-19.125,0) 60(-18.625,0) 62(-18.125,0) 64(-17.625,0) 66(-17.125,0) 68(-16.625,0) 70(-16.125,0) 72(-15.625,0) 74(-15.125,0) 76(-14.625,0) 78(-14.125,0) 80(-13.625,0) 82(-13.125,0) 84(-12.625,0) 86(-12.125,0) 88(-11.625,0) 90(-11.125,0) 92(-10.625,0) 94(-10.125,0) 96(-9.625,0) 98(-9.125,0) 100(-8.625,0) 102(-8.125,0) 104(-7.625,0) 106(-7.125,0) 108(-6.625,0) 110(-6.125,0) 112(-5.625,0) 114(-5.125,0) 116(-4.625,0) 118(-4.125,0) 120(-3.625,0) 122(-3.125,0) 124(-2.625,0) 126(-2.125,0) 128(-1.625,0) 130(-1.125,0) 132(-0.625,0) 134(-0.125,0) 136(0.375,0) 138(0.875,0) 140(1.375,0) 142(1.875,0) 144(2.375,0) 146(4.875,0) 148(5.375,0) 150(5.875,0) 152(6.375,0) 154(6.875,0) 156(7.375,0) 158(7.875,0) 160(8.375,0) 162(8.875,0) 164(9.375,0) 166(9.875,0) 168(10.375,0) 170(10.875,0) 172(11.375,0) 174(11.875,0) 176(12.375,0) 178(12.875,0) 180(13.375,0) 182(13.875,0) 184(14.375,0) 186(14.875,0) 188(15.375,0) 190(15.875,0) 192(16.375,0) 194(16.875,0) 196(17.375,0) 198(17.875,0) 200(18.375,0) 202(18.875,0) 204(19.375,0) 206(19.875,0) 208(20.375,0) 210(20.875,0) 212(21.375,0) 214(21.875,0) 216(22.375,0) 218(22.875,0) 220(23.375,0) 222(23.875,0) 224(24.375,0) 226(24.875,0) 228(25.375,0) 230(25.875,0) 232(26.375,0) 234(26.875,0) 236(27.375,0) 238(27.875,0) 240(28.375,0) 242(28.875,0) 244(29.375,0) 246(29.875,0) 248(30.375,0) 250(30.875,0) 252(31.375,0) 254(31.875,0) 256(32.375,0) 258(32.875,0) 260(33.375,0)
  silkscreen extent -34.81,-1.38 34.81,3.18
DIO_0402_SMD [mm] "Diode"
  rect 0.6x0.5 smd: A(0.521,0) K(-0.521,0)
  silkscreen extent -1.31,-0.48 1.03,0.46, body extent -0.67,-0.25 0.67,0.25, height 0.36
DIO_SOD523 [mm] "DIODE"
  rect 1x0.49 smd: A(0.85,0) K(-0.85,0)
  silkscreen extent -1.75,-0.63 1.6,0.63, body extent -0.85,-0.45 0.85,0.45, height 0.8
DIO_SOT-323-3 [mm] "SOT Package"
  rrect13% 1.15x0.5 smd: A1(-0.98,0.65) A2(-0.98,-0.65) K(0.98,0)
  silkscreen extent -1.24,-1.11 0.68,1.5, body extent -1.12,-1.1 1.12,1.1, height 1.11
FBGA200_SMD [mm]
  round 0.32 smd: A1(-4.4,6.825) A2(-3.6,6.825) A3(-2.8,6.825) A4(-2,6.825) A5(-1.2,6.825) A8(1.2,6.825) A9(2,6.825) A10(2.8,6.825) A11(3.6,6.825) A12(4.4,6.825) AA1(-4.4,-6.175) AA2(-3.6,-6.175) AA3(-2.8,-6.175) AA4(-2,-6.175) AA5(-1.2,-6.175) AA8(1.2,-6.175) AA9(2,-6.175) AA10(2.8,-6.175) AA11(3.6,-6.175) AA12(4.4,-6.175) AB1(-4.4,-6.825) AB2(-3.6,-6.825) AB3(-2.8,-6.825) AB4(-2,-6.825) AB5(-1.2,-6.825) AB8(1.2,-6.825) AB9(2,-6.825) AB10(2.8,-6.825) AB11(3.6,-6.825) AB12(4.4,-6.825) B1(-4.4,6.175) B2(-3.6,6.175) B3(-2.8,6.175) B4(-2,6.175) B5(-1.2,6.175) B8(1.2,6.175) B9(2,6.175) B10(2.8,6.175) B11(3.6,6.175) B12(4.4,6.175) C1(-4.4,5.525) C2(-3.6,5.525) C3(-2.8,5.525) C4(-2,5.525) C5(-1.2,5.525) C8(1.2,5.525) C9(2,5.525) C10(2.8,5.525) C11(3.6,5.525) C12(4.4,5.525) D1(-4.4,4.875) D2(-3.6,4.875) D3(-2.8,4.875) D4(-2,4.875) D5(-1.2,4.875) D8(1.2,4.875) D9(2,4.875) D10(2.8,4.875) D11(3.6,4.875) D12(4.4,4.875) E1(-4.4,4.225) E2(-3.6,4.225) E3(-2.8,4.225) E4(-2,4.225) E5(-1.2,4.225) E8(1.2,4.225) E9(2,4.225) E10(2.8,4.225) E11(3.6,4.225) E12(4.4,4.225) F1(-4.4,3.575) F2(-3.6,3.575) F3(-2.8,3.575) F4(-2,3.575) F5(-1.2,3.575) F8(1.2,3.575) F9(2,3.575) F10(2.8,3.575) F11(3.6,3.575) F12(4.4,3.575) G1(-4.4,2.925) G2(-3.6,2.925) G3(-2.8,2.925) G4(-2,2.925) G5(-1.2,2.925) G8(1.2,2.925) G9(2,2.925) G10(2.8,2.925) G11(3.6,2.925) G12(4.4,2.925) H1(-4.4,2.275) H2(-3.6,2.275) H3(-2.8,2.275) H4(-2,2.275) H5(-1.2,2.275) H8(1.2,2.275) H9(2,2.275) H10(2.8,2.275) H11(3.6,2.275) H12(4.4,2.275) J1(-4.4,1.625) J2(-3.6,1.625) J3(-2.8,1.625) J4(-2,1.625) J5(-1.2,1.625) J8(1.2,1.625) J9(2,1.625) J10(2.8,1.625) J11(3.6,1.625) J12(4.4,1.625) K1(-4.4,0.975) K2(-3.6,0.975) K3(-2.8,0.975) K4(-2,0.975) K5(-1.2,0.975) K8(1.2,0.975) K9(2,0.975) K10(2.8,0.975) K11(3.6,0.975) K12(4.4,0.975) N1(-4.4,-0.975) N2(-3.6,-0.975) N3(-2.8,-0.975) N4(-2,-0.975) N5(-1.2,-0.975) N8(1.2,-0.975) N9(2,-0.975) N10(2.8,-0.975) N11(3.6,-0.975) N12(4.4,-0.975) P1(-4.4,-1.625) P2(-3.6,-1.625) P3(-2.8,-1.625) P4(-2,-1.625) P5(-1.2,-1.625) P8(1.2,-1.625) P9(2,-1.625) P10(2.8,-1.625) P11(3.6,-1.625) P12(4.4,-1.625) R1(-4.4,-2.275) R2(-3.6,-2.275) R3(-2.8,-2.275) R4(-2,-2.275) R5(-1.2,-2.275) R8(1.2,-2.275) R9(2,-2.275) R10(2.8,-2.275) R11(3.6,-2.275) R12(4.4,-2.275) T1(-4.4,-2.925) T2(-3.6,-2.925) T3(-2.8,-2.925) T4(-2,-2.925) T5(-1.2,-2.925) T8(1.2,-2.925) T9(2,-2.925) T10(2.8,-2.925) T11(3.6,-2.925) T12(4.4,-2.925) U1(-4.4,-3.575) U2(-3.6,-3.575) U3(-2.8,-3.575) U4(-2,-3.575) U5(-1.2,-3.575) U8(1.2,-3.575) U9(2,-3.575) U10(2.8,-3.575) U11(3.6,-3.575) U12(4.4,-3.575) V1(-4.4,-4.225) V2(-3.6,-4.225) V3(-2.8,-4.225) V4(-2,-4.225) V5(-1.2,-4.225) V8(1.2,-4.225) V9(2,-4.225) V10(2.8,-4.225) V11(3.6,-4.225) V12(4.4,-4.225) W1(-4.4,-4.875) W2(-3.6,-4.875) W3(-2.8,-4.875) W4(-2,-4.875) W5(-1.2,-4.875) W8(1.2,-4.875) W9(2,-4.875) W10(2.8,-4.875) W11(3.6,-4.875) W12(4.4,-4.875) Y1(-4.4,-5.525) Y2(-3.6,-5.525) Y3(-2.8,-5.525) Y4(-2,-5.525) Y5(-1.2,-5.525) Y8(1.2,-5.525) Y9(2,-5.525) Y10(2.8,-5.525) Y11(3.6,-5.525) Y12(4.4,-5.525)
  silkscreen extent -5.05,-7.87 5.05,7.9, body extent -4.53,-7.72 4.47,7.78, height 1.2